# Altium PCB rf_modulator_source.PcbDoc (part 2 of 2) (continued)
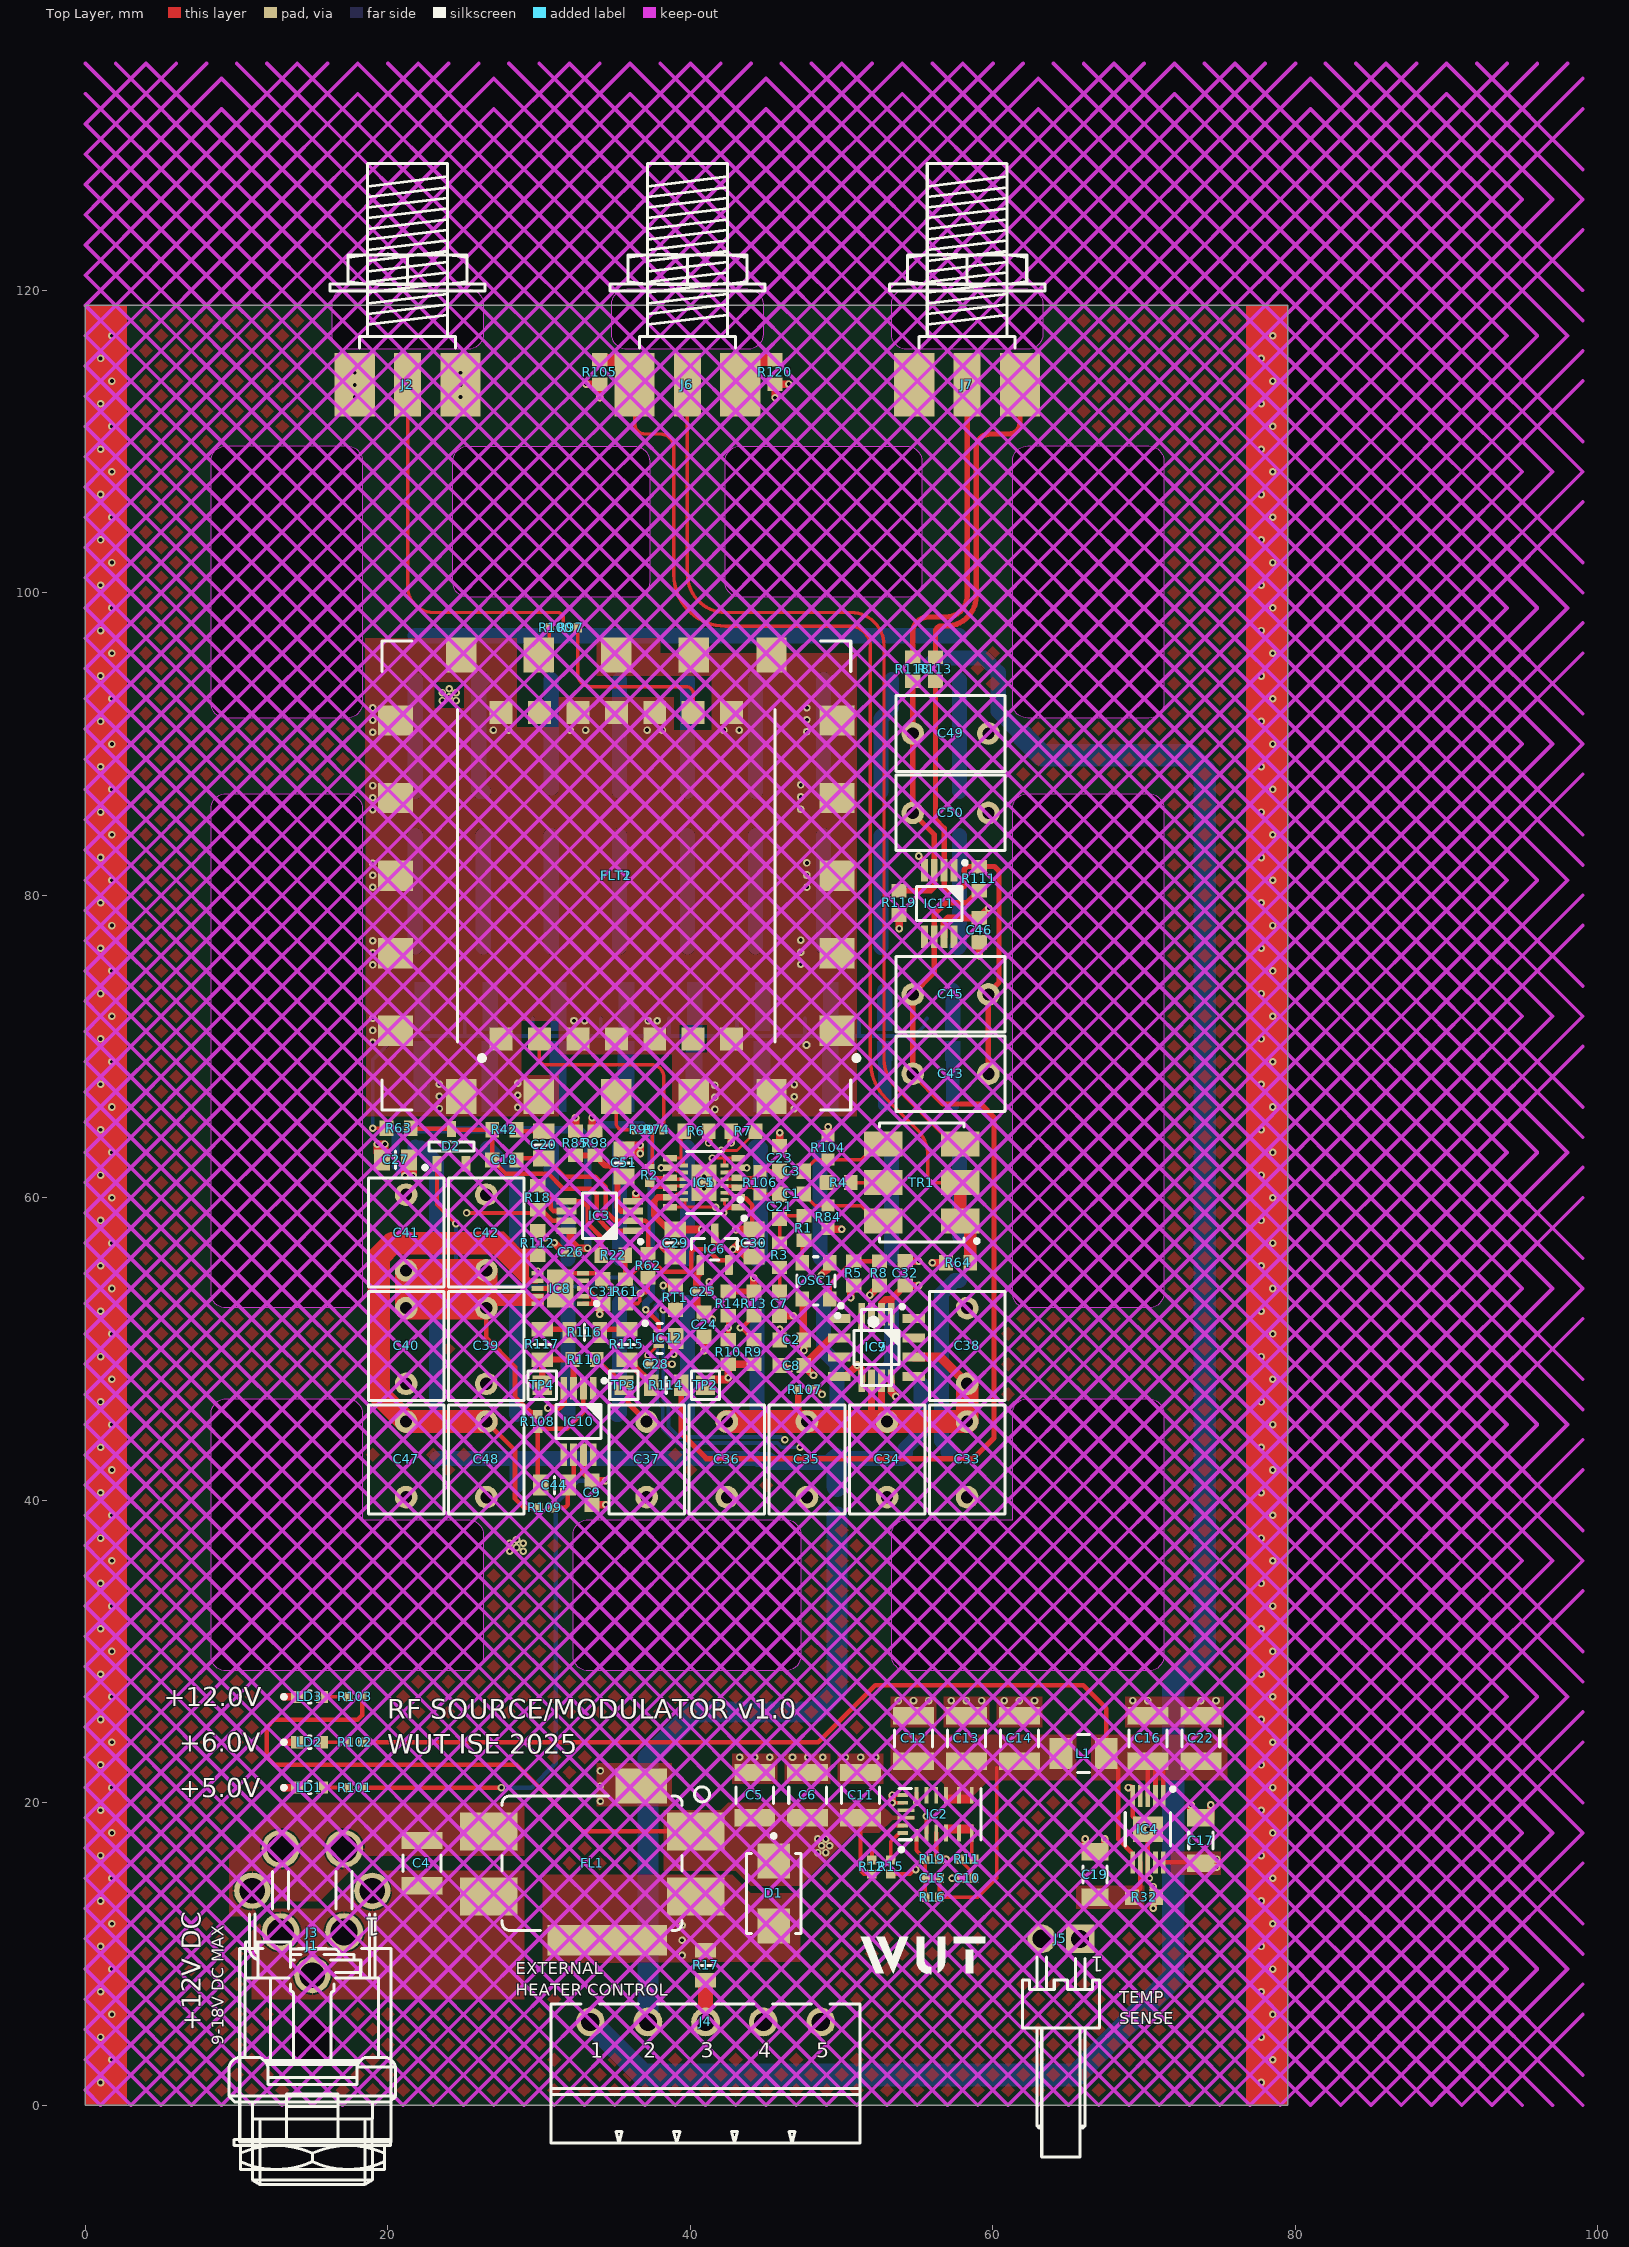
[diagram p0: Top Layer view]
## Nets (pads, with @x,y where several pads share a name; then routed paths per layer and width w, separated by ;. In a path a pad name is that pad's centre, name@x,y a point inside that pad or via, vN(x,y) a via of type N, cw(c..) or ccw(c..) an arc to the next point about the centre after c; other vN are vias at no path point) (continued)
NetR38_1: R38.1 R48.2 | length 7.4
  Bottom Layer w1: R38.1@35.3,55.98 R48.2@35.3,63.365
NetR39_1: R39.1 R49.2 | length 7.9
  Bottom Layer w1: R49.2@30.8,63.365 30.8,59.9 31.9,58.8 R39.1@31.9,55.965
NetR40_1: R40.1 R50.2 | length 8.1
  Bottom Layer w1: R50.2@26.6,63.3 28.5,61.4 R40.1@28.5,55.965
NetR41_1: R41.1 R51.2 | length 8.2
  Bottom Layer w1: R51.2@21.8,63.365 21.875,63.29 22.2,63.29 23.2,62.29 R41.1@23.2,55.965
NetR43_1: R43.1 R52.2 T1.3 | length 3
  Bottom Layer w0.9: R43.1@57.35,66.115 57.35,69.1
NetR44_1: R44.1 R53.2 T2.3 | length 3
  Bottom Layer w0.9: R44.1@52.85,66.115 52.85,69.1
NetR45_1: R45.1 R54.2 T3.3
NetR46_1: R46.1 R55.2 T4.3
NetR47_1: R47.1 R56.2 T5.3
NetR48_1: R48.1 R57.2 T6.3
NetR49_1: R49.1 R58.2 T7.3
NetR50_1: R50.1 R59.2 T8.3
NetR51_1: R51.1 R60.2 T9.3
NetR52_1: R52.1 R65.2 T1.2 | length 2.2
  Bottom Layer w1: R52.1@57.35,71.5 R65.2@57.35,73.685
NetR53_1: R53.1 R66.2 T2.2 | length 2.2
  Bottom Layer w1: R53.1@52.85,71.5 R66.2@52.85,73.685
NetR54_1: R54.1 R67.2 T3.2
NetR55_1: R55.1 R68.2 T4.2
NetR56_1: R56.1 R69.2 T5.2
NetR57_1: R57.1 R70.2 T6.2
NetR58_1: R58.1 R71.2 T7.2
NetR59_1: R59.1 R72.2 T8.2
NetR60_1: R60.1 R73.2 T9.2
NetR65_1: R65.1 R75.2 | length 7.6
  Bottom Layer w1: R65.1@57.6,76.565 57.725,76.565 57.8,76.64 R75.2@57.8,83.965
NetR66_1: R66.1 R76.2 | length 7.4
  Bottom Layer w1: R66.1@52.6,76.565 R76.2@52.6,83.95
NetR67_1: R67.1 R77.2 | length 7.4
  Bottom Layer w1: R67.1@48.8,76.58 R77.2@48.8,83.965
NetR68_1: R68.1 R78.2 | length 7.4
  Bottom Layer w1: R68.1@44.3,76.58 R78.2@44.3,83.965
NetR69_1: R69.1 R79.2 | length 7.4
  Bottom Layer w1: R69.1@39.8,76.58 R79.2@39.8,83.965
NetR70_1: R70.1 R80.2 | length 7.4
  Bottom Layer w1: R70.1@35.3,76.58 R80.2@35.3,83.965
NetR71_1: R71.1 R81.2 | length 7.4
  Bottom Layer w1: R71.1@30.8,76.58 R81.2@30.8,83.965
NetR72_1: R72.1 R82.2 | length 7.4
  Bottom Layer w1: R72.1@26.3,76.58 R82.2@26.3,83.965
NetR73_1: R73.1 R83.2 | length 7.4
  Bottom Layer w1: R73.1@21.8,76.58 R83.2@21.8,83.965
NetR75_1: R75.1 R86.2 | length 7.4
  Bottom Layer w1: R75.1@57.8,86.865 R86.2@57.8,94.265
NetR76_1: R76.1 R87.2 | length 7.7
  Bottom Layer w1: R76.1@52.6,86.85 52.6,91.7 53.3,92.4 R87.2@53.3,94.265
NetR77_1: R77.1 R88.2 | length 7.4
  Bottom Layer w1: R77.1@48.8,86.865 R88.2@48.8,94.265
NetR78_1: R78.1 R89.2 | length 7.4
  Bottom Layer w1: R78.1@44.3,86.865 R89.2@44.3,94.265
NetR79_1: R79.1 R90.2 | length 7.4
  Bottom Layer w1: R79.1@39.8,86.865 R90.2@39.8,94.265
NetR80_1: R80.1 R91.2 | length 7.4
  Bottom Layer w1: R80.1@35.3,86.865 R91.2@35.3,94.265
NetR81_1: R81.1 R92.2 | length 7.2
  Bottom Layer w1: R81.1@30.8,87.1 R92.2@30.8,94.265
NetR82_1: R82.1 R93.2 | length 7.9
  Bottom Layer w1: R82.1@26.3,86.865 26.075,86.865 26,86.94 26,94.19 26.075,94.265 R93.2@26.3,94.265
NetR83_1: R83.1 R94.2 | length 7.4
  Bottom Layer w1: R83.1@21.8,86.865 R94.2@21.8,94.265
NetR86_1: R86.1 R87.1 R88.1 R89.1 R90.1 R91.1 R92.1 R93.1 R94.1 R95.2 R96.2 | length 36
  Bottom Layer w1: R94.1@21.8,97.165 R93.1@26.3,97.165 R92.1@30.8,97.165 R91.1@35.3,97.165 R90.1@39.8,97.165 R89.1@44.3,97.165 R88.1@48.8,97.165 R87.1@53.3,97.165 R86.1@57.8,97.165
NetR114_2: R114.2 R115.1 | length 2.6
  Top Layer w0.5: R115.1@35.8,49.3 36.025,49.3 36.25,49.075 36.25,48.85 36.563,48.537 36.563,48.534 37.047,48.05 37.175,48.05 37.4,47.825 R114.2@37.4,47.6
NetR115_2: R115.2 R116.1 | length 1.9
  Top Layer w0.35: R116.1@34,51.1 34.2,51.3 R115.2@35.8,51.3
NetR116_2: R116.2 R117.1 | length 1.9
  Top Layer w0.35: R117.1@30.2,51.3 31.8,51.3 R116.2@32,51.1
P3V3REF: IC12.1 R98.2 | length 18.8
  Top Layer w0.3: v1(37.05,52.6) 37.9,51.75 IC12.1@37.9,51.2
  Top Layer w0.5: R98.2@33.5,64.4 v1(33.5,65.3)
  Bottom Layer w0.5: v1(33.5,65.3) 33.985,64.815 36.785,64.815 37.4,64.2 37.4,53.4 37.05,53.05 v1(37.05,52.6)
P3V3RF: C2.2 C29.2 C30.2 C39.2 C40.2 C41.2 C42.2 IC1.2 IC1.11 IC5.2 IC5.11 IC8.9 IC8.10 OSC1.4 R5.2 R9.2 R10.2 R108.1 TP2.1 | length 170.5
  Top Layer w0.2: IC5.11@38.65,60.025 38.885,60.025 39.093,60.233 39.194,60.233 39.261,60.3 39.525,60.3 IC1.11@39.55,60.325 ; IC1.2@42.25,60.325 42.275,60.3 42.539,60.3 42.606,60.233 42.707,60.233 42.915,60.025 IC5.2@43.15,60.025
  Top Layer w0.3: C39.2@26.5,52.7 26.5,50.74 28.4,48.84 28.4,46.85 29.44,45.81 29.76,45.81 R108.1@29.9,45.67 ; IC5.2@43.15,60.025 43.215,59.96 43.648,59.96 44.1,59.508 C30.2@44.1,57.8
  Top Layer w0.42: C29.2@38.625,57.8 37.6,58.825 37.6,59.779 37.846,60.025 IC5.11@38.65,60.025
  Top Layer w0.5: C29.2@39,57.9 v1(40.75,57.9) ; TP2.1@41,47.6 41.385,47.985 42.385,47.985 v1(42.5,48.1) R10.2@42.5,49 R9.2@44.2,49 ; v1(43,57.9) C30.2@44.2,57.9 ; OSC1.4@47.4,53.3 47.45,53.25 47.45,50.65 C2.2@47.5,50.6 ; v1(47.5,49.9) C2.2@47.5,50.6 ; C2.2@47.5,50.8 C2.2@47.5,50.6 ; v1(50.6,53.4) R5.2@50.6,54.3
  Top Layer w1.5: 21.2,53.95 26.5,53.95 ; 21.2,53.95 C41.2@21.2,55.2 C42.2@26.5,55.2 26.5,53.95 ; 21.2,53.95 C40.2@21.2,52.7 C39.2@26.5,52.7 26.5,53.95
  Inner Layer 2 w1.25: 26.425,53.95 26.5,53.95 26.5,53.9 27.75,52.65 ; C39.2@26.5,52.7 31.4,47.8 ; 27.75,56.45 27.75,53.7 ; 28.9,57.6 28.35,57.05 28.35,53.65 ; v1(40.75,57.9) v1@42.8,57.9 ; 27.75,52.65 27.75,53.7 ; 27.75,52.65 28.35,52.05 ; 27.75,53.7 28.3,53.7 28.35,53.65 ; 28.35,52.05 28.35,53.65 ; 28.35,52.05 32.6,47.8 ; 28.35,53.65 34.2,47.8 ; 31.4,47.8 32.6,47.8 ; 31.4,47.8 32.1,47.1 41.5,47.1 ; 32.6,47.8 34.2,47.8 ; 34.2,47.8 42.2,47.8 v1(42.5,48.1) ; 41.5,47.1 43.4,47.1 44.4,48.1 ; 41.5,47.1 v1(42.5,48.1) ; v1(42.5,48.1) 44.4,48.1 ; 44.4,48.1 46.2,49.9 ; 46.2,49.9 49.7,53.4 v1(50.6,53.4) 50.6,53 ; 46.2,49.9 v1(47.5,49.9) ; v1(47.5,49.9) 50.6,53 ; v1(47.5,49.9) 48.125,49.9 50.6,52.375 50.6,53
  Inner Layer 2 w1.5: 26.5,53.9 C39.2@26.5,52.7 C40.2@21.2,52.7 21.2,53.95 ; v1(40.75,57.9) 39.75,58.9 30.2,58.9 28.35,57.05 27.75,56.45 C42.2@26.5,55.2 ; 21.2,53.95 26.5,53.95 C42.2@26.5,55.2 ; 21.2,53.95 C41.2@21.2,55.2 C42.2@26.5,55.2
P5V0: C8.2 C9.2 C17.2 C24.2 C25.2 C28.2 C31.2 C32.2 C46.2 IC4.9 IC4.10 IC6.1 IC7.2 IC8.1 IC8.2 IC8.3 IC8.6 IC9.1 IC9.2 IC10.7 IC11.7 IC12.3 R101.1 | length 246.5
  Top Layer w0.2: v1(37.2,49.6) 37.65,50.05 37.65,50.175 37.675,50.2 IC12.3@37.9,50.2
  Top Layer w0.3: R101.1@18.295,21 v1(27.5,21) ; IC8.1@32.9,53 34,53 C31.2@34.175,53 ; IC8.2@32.9,53.5 33.3,53.5 ; IC8.3@32.9,54 33.2,54 33.376,53.824 33.376,53.799 ; 33.581,53.131 33.581,53.5 ; IC4.9@70.75,16.05 IC4.10@71.25,16.05 73.7,16.05 C17.2@73.75,16 ; 33.3,53.5 33.581,53.5 ; 33.3,53.5 33.376,53.576 33.376,53.799 ; 33.376,53.799 33.581,53.594 ; 33.581,53.5 33.675,53.5 ; 33.581,53.5 33.581,53.594 ; 33.581,53.594 33.675,53.5 ; 33.675,53.5 34,53.175 C31.2@34.175,53 ; C31.2@34.175,53 C31.2@34.2,53 C31.2@34.175,53
  Top Layer w0.45: IC10.7@32.925,43 32.925,41.85 33.475,41.3 C9.2@33.5,41.3 ; IC9.2@52.625,52.3 52.625,53.011 52.889,53.275 53.275,53.275 ; IC9.1@53.275,52.3 53.275,53.275 ; v1(55.1,54.2) C32.2@54.2,54.2 54.175,54.2 53.925,53.95 53.925,53.925 53.275,53.275 ; IC11.7@56.775,77.25 56.775,78.236 57.039,78.5 C46.2@59.1,78.5
  Top Layer w0.5: C9.2@33.5,41.3 v1(34.4,41.3) ; v1(34,52.3) 34,53 34,53.175 C31.2@34,53.2 ; v1(37.2,49.6) 37.2,49.05 C28.2@37.25,49 ; IC6.1@40.65,55.55 40.65,55.15 40.57,55.07 40.57,55.02 40.41,54.86 40.41,53.86 C25.2@40.35,53.8 40.41,53.74 40.41,52.865 40.875,52.4 C24.2@40.9,52.4 ; C24.2@40.8,52.6 40.95,52.45 v1(41.436,51.964) ; v1(48.136,48.264) C8.2@47.5,48.9 47.5,48.925 49.26,50.685 49.785,50.685 IC7.2@49.835,50.735 ; C46.2@59.1,78.5 v1(59.736,79.136) ; C17.2@73.75,16 74.024,15.726 v1(74.8,15.726) 74.8,16 ; 74.8,16 73.75,16 74.025,16.275 v1(74.8,16.275) 74.8,16
  Inner Layer 2 w1.25: v1(29.9,55.15) 32.75,52.3 ; v1(34.4,41.3) 36.075,42.975 42.848,42.975 v1(48.136,48.264) 49.636,48.264 50.2,47.7 51.55,47.7 53.35,49.5 ; 54.691,53.791 54.225,53.325 ; 56.559,50.959 56.4,50.8 ; v1(59.736,79.136) 57.225,76.625 57.225,55.508 55.917,54.2 ; 74.5,17 74.8,16.7 ; v1@74.774,15.726 v1(74.8,15.726) v1(74.8,16.275) ; 32.75,52.3 35.45,49.6 v1(37.2,49.6) ; 32.75,52.3 v1(34,52.3) 34.5,52.3 35.836,50.964 ; 35.836,50.964 38.564,50.964 ; 35.836,50.964 v1(37.2,49.6) ; v1(37.2,49.6) 38.564,50.964 ; 38.564,50.964 39.564,51.964 v1(41.436,51.964) 41.436,50.964 ; 38.564,50.964 41.436,50.964 ; 41.436,50.964 42.6,49.8 44,49.8 44.898,50.698 44.898,52.598 48.2,55.9 51.65,55.9 53.35,54.2 ; 53.35,49.5 53.35,51.633 ; 53.35,49.5 54.4,49.5 ; 53.35,51.633 53.35,54.2 ; 53.35,51.633 54.225,52.508 ; 53.35,54.2 54.225,53.325 ; 53.35,54.2 v1(55.1,54.2) ; 54.225,52.508 55.1,53.383 ; 54.225,52.508 54.225,53.325 ; 54.225,52.508 54.225,49.675 54.4,49.5 ; 54.4,49.5 55.1,49.5 ; 55.1,49.5 56.4,50.8 ; 55.1,49.5 55.1,50.8 55.1,53.383 ; 55.1,53.383 55.917,54.2 ; 55.1,53.383 v1(55.1,54.2) ; v1(55.1,54.2) 55.917,54.2 ; 55.917,54.2 55.917,51.283 56.4,50.8
  Inner Layer 2 w1.5: 55.1,50.8 56.4,50.8 70.2,50.8 73,48 73,28.5 71.5,27 71.5,19 73.5,17 ; 74.5,17 73.5,17 ; v1@74.774,15.726 73.5,17 ; v1(74.8,16.275) 74.8,16.7
  Bottom Layer w0.3: v1(27.5,21) 29.5,21 31.1,22.6 31.1,39.8 32.6,41.3 v1(34.4,41.3)
P6V0: C16.2 C22.2 IC4.1 IC4.2 IC4.3 IC4.6 L1.2 R102.1 | length 70.2
  Top Layer w0.25: C16.2@70.25,22.75 C16.2@70.3,22.75 ; C16.2@70.75,22.3 C16.2@70.3,22.75 ; C16.2@71.25,22.3 70.8,22.75 C16.2@70.3,22.75
  Top Layer w0.3: R102.1@18.295,24 48.45,24 52.225,27.775 65.975,27.775 67.5,26.25 L1.2@67.5,23.25 67.5,22.975 68.1,22.375 68.124,22.375 68.3,22.199 68.3,17.575 69.25,16.625 IC4.6@69.25,16.05 ; IC4.3@70.25,20.45 C16.2@70.25,22.75 ; IC4.2@70.75,20.45 C16.2@70.75,22.3 ; IC4.1@71.25,20.45 C16.2@71.25,22.3
P6V0_PG: IC2.18 R15.2 | length 2.2
  Top Layer w0.25: R15.2@53.25,16.22 53.25,17.425 53.825,18 IC2.18@54.05,18
P12V0: C5.2 C6.2 C11.2 C26.2 C27.2 D1.1 FL1.2 IC2.16 IC3.8 R12.2 R20.2 R103.2 | length 151.5
  Top Layer w0.25: C11.2@51.25,19 51.25,15.5 51.461,15.289 51.991,15.289 R12.2@52,15.28
  Top Layer w0.3: R103.2@18.295,27 18.295,25.795 18,25.5 12.5,25.5 12,25 12,23 12.5,22.5 28.5,22.5 32.9,18.1 FL1.2@40.35,18.1
  Top Layer w0.5: C27.2@21.4,62.5 21.126,62.226 v1(21.126,61.45) 21.4,61.45 ; 32.066,57.6 32.069,57.597 32.069,57.156 32.49,56.735 ; v1(33.2,56.675) C26.2@32.825,56.675 ; 21.4,61.45 C27.2@21.4,62.5 21.675,62.225 v1(21.675,61.45) 21.4,61.45 ; 32.49,56.735 32.55,56.675 C26.2@32.825,56.675 ; 32.49,56.735 32.49,56.46 C26.2@32.55,56.4 C26.2@32.825,56.675
  Inner Layer 2 w0.5: 18.775,61.45 18.775,61.725 21.675,61.725 v1(21.675,61.45) v1(21.126,61.45) 19.036,61.45 19.311,61.725
  Inner Layer 2 w1: 19.036,44.264 20.5,42.8 27.65,42.8 28.5,41.95 v1(28.5,36.875)
  Inner Layer 2 w1.025: 19.036,44.264 19.036,61.45
  Inner Layer 2 w2: v1(28.5,36.875) 28.5,22.975 34.325,17.15 v1(48.675,17.15)
  Bottom Layer w0.5: v1(33.2,56.675) 33.2,64 32.7,64.5 20.793,64.5 20.5,64.207 20.5,62.076 20.876,61.7 ; 20.876,61.7 21.425,61.7 v1(21.675,61.45) v1(21.126,61.45) 20.876,61.7
  other v1: 48.425,16.7 48.95,16.7 49.2,17.15 48.425,17.6 48.95,17.6 28.05,36.625 28.95,36.625 28.05,37.15 28.95,37.15 28.5,37.4
RF_FLT_IN: R2.2 R74.1 R99.1 | length 2.7
  Top Layer w0.223: R2.2@37.3,61.945 37.475,62.12 37.475,64.325 R99.1@37.3,64.5
RF_FLT_OUT: J2.1 R97.2 R100.2 | length 25.4
  Top Layer w0.223: J2.1@21.3,113.75 21.3,100.4 ccw(c23,100.4) 23,98.7 31.2,98.7 cw(c31.2,98.3) 31.6,98.3 R100.2@31.6,97.7
RF_IN: J6.1 TR1.3 | length 63.4
  Top Layer w0.223: J6.1@39.8,113.75 39.8,101.24 ccw(c42.34,101.24) 42.34,98.7 50.618,98.7 cw(c50.618,96.518) 52.8,96.518 52.8,69.152 ccw(c55.34,69.152) 53.544,67.356 57.021,63.879 ccw(c57.84,64.699) TR1.3@57.84,63.54
RF_IN_G: J6.2 R64.2 R105.2 R120.2 TR1.1 TR1.2 | length 82.2
  Top Layer w0.223: J6.2@36.307,113.75 36.307,111.193 ccw(c37,111.193) 37,110.5 38,110.5 cw(c38,109.6) 38.9,109.6 38.9,101.2 ccw(c42.3,101.2) 42.3,97.8 50.515,97.8 cw(c50.515,96.411) 51.904,96.411 51.9,96.406 51.9,96.3 51.9,89.1 51.9,69.05 ; 51.9,69.049 ccw(c55.397,69.049) 52.924,66.576 52.925,66.575 54.905,64.595 54.956,64.544 cw(c53.16,62.748) 55.7,62.748 55.7,61.5 ccw(c56.2,61.5) 56.2,61 TR1.2@57.838,61 ; TR1.2@57.089,61.311 ccw(c57.84,62.062) TR1.2@57.838,61 ; TR1.2@57.838,61 ccw(c57.84,62.062) TR1.2@57.84,61 TR1.2@57.838,61
  Top Layer w0.8: R105.2@34,115.4 35.375,115.4 36.307,114.468 J6.2@36.307,113.75 ; J6.2@43.292,113.75 43.292,114.468 44.225,115.4 R120.2@45.6,115.4 ; TR1.2@57.84,61 TR1.1@57.84,58.46 58.075,58.46 58.5,58.035 R64.2@58.5,55.7
RF_MOD_IN+: C1.2 C21.2 IC1.3 IC5.3 R106.2 | length 3.9
  Top Layer w0.223: IC1.3@42.25,60.775 42.263,60.762 43.063,60.762 IC5.3@43.15,60.675 44.111,60.675 44.562,60.225 R106.2@44.6,60.225 45.875,60.225 C1.2@45.9,60.25
RF_MOD_IN−: C3.2 C23.2 IC1.4 IC5.4 R106.1 | length 3.9
  Top Layer w0.223: IC1.4@42.25,61.225 42.263,61.238 43.063,61.238 IC5.4@43.15,61.325 44.112,61.325 44.562,61.775 R106.1@44.6,61.775 45.875,61.775 C3.2@45.9,61.75
SD1: IC1.12 IC5.12 R7.2 | length 11.5
  Top Layer w0.2: IC5.12@38.65,59.375 39.65,59.375 ; IC1.12@39.55,59.875 39.625,59.875 39.65,59.85 39.65,59.375 ; v1(41.675,59.375) 39.65,59.375 ; v1(42.05,63.125) 43.075,63.125 44.3,64.35 R7.2@44.3,64.4
  Inner Layer 2 w0.2: v1(41.675,59.375) 41.675,61.625 40.925,62.375 40.925,62.875 41.175,63.125 v1(42.05,63.125)
SD2: IC1.7 IC5.7 R6.2 | length 3.2
  Top Layer w0.2: IC5.7@38.65,62.625 39.375,62.625 ; IC1.7@39.55,62.125 39.55,62.45 39.375,62.625 ; R6.2@39.6,64.4 39.375,64.175 39.375,62.625
TEMP_SENHT_OUT: IC6.2 R22.1 R61.1 | length 10.8
  Top Layer w0.3: R22.1@35.7,56.2 R61.1@35.7,54.6 35.75,54.6 36.65,55.5 37.8,55.5 38.2,55.1 39.874,55.1 40.05,55.276 40.05,56.424 40.226,56.6 41.1,56.6 41.829,55.871 42.45,55.871 42.55,55.771 IC6.2@42.55,55.55
TEMP_SENHT_OUT_BUFF: IC3.7 J5.1 R18.2 | length 118.4
  Top Layer w0.25: v1(25.2,59) 29.7,59 R18.2@29.9,59.2
  Top Layer w0.3: R18.2@29.9,59.4 29.95,59.4 30.875,58.475 IC3.7@31.8,58.475
  Inner Layer 2 w0.25: v1(25.2,59) 21.1,59 20,57.9 20,51.8 20.6,51.2 24.75,51.2 30.5,45.45 30.5,28.7 38.7,20.5 49.5,20.5 51,19 51,15.5 43,7.5 43,3.845 44.145,2.7 57.472,2.7 J5.1@65.77,10.998
Vset_3V3: C33.2 C34.2 C35.2 C36.2 C37.2 C38.2 IC7.6 IC9.6 IC9.7 R107.1 R110.1 TP3.1 | length 41.5
  Top Layer w0.35: R110.1@33.8,49.3 33.8,49.25 34.55,48.5 34.7,48.5 TP3.1@35.661,47.539 ; TP3.1@35.6,47.6 35.875,47.325 35.875,46.431 C37.2@37.106,45.2
  Top Layer w0.4: 47.13,45.73 R107.1@47.13,47.3
  Top Layer w0.45: 51.925,45.2 51.975,45.25 IC9.6@51.975,47.9 ; IC9.7@52.625,47.9 52.625,45.865 53.006,45.484 C34.2@53.006,45.2
  Top Layer w0.6: 46.6,45.2 47.13,45.73 ; IC7.6@54.765,49.465 56.535,49.465 C38.2@58.3,47.7
  Top Layer w1.5: C36.2@42.406,45.2 46.6,45.2 51.925,45.2 C34.2@53.006,45.2 C33.2@58.3,45.2 C38.2@58.3,47.7
  Inner Layer 2 w1.5: C37.2@37.106,45.2 C36.2@42.406,45.2
Vtune_N: J7.2 R113.1 | length 21.9
  Top Layer w0.35: R113.1@56.2,95.75 56.2,97.4 cw(c56.6,97.4) 56.6,97.8 56.9,97.8 ccw(c56.9,99.8) 58.9,99.8 58.9,109.6 cw(c59.8,109.6) 59.8,110.5 61.1,110.5 ccw(c61.1,111.193) 61.793,111.193 J7.2@61.793,113.75
Vtune_P: J7.1 R118.1 | length 20.6
  Top Layer w0.35: R118.1@54.7,95.75 54.7,97.4 cw(c55.7,97.4) 55.7,98.4 56.9,98.4 ccw(c56.9,99.8) 58.3,99.8 J7.1@58.3,113.75
pads on no net: D2.2 IC2.10 IC2.15 IC10.1 IC10.5 IC10.8 IC11.1 IC11.5 IC11.8 J1.5

## Polygon pours and split planes (outlines as drawn)
no net on Bottom Layer "balancing" (solid, pour order 41): 2.95,0 76.825,0 76.825,119 2.95,119
P12V0 on Bottom Layer "P12V0_L04_P092" (solid, pour order 92): 29.2,36.375 27.8,36.375 27.8,39.375 29.2,39.375
GND on Bottom Layer "GND_L04_P089" (solid, pour order 89): 24.75,92.625 23.35,92.625 23.35,95.625 24.75,95.625
no net on Top Layer "balancing" (solid, pour order 93): 3,0 76.525,0 76.525,119 3,119
GND on Top Layer "GND_L01_P042" (solid, pour order 42): 18.573,65.4 51.1,65.4 51.1,96 38,96 38,97.3 18.473,97.3
P6V0 on Top Layer "P6V0_L01_P071" (solid, pour order 71): 66.5,24.5 66.5,21.5 75.5,21.5 75.5,24.5
GND on Top Layer "GND_L01_P091" (solid, pour order 91): 42.75,15.25 44,14 47.25,14 47.25,9.499 30.25,9.4 30.25,15.25
GND on Top Layer "GND_L01_P090" (solid, pour order 90): 33.8,19.75 33.8,22.6 38.75,22.6 38.75,19.75
GND on Top Layer "GND_L01_P072" (solid, pour order 72): 72.25,27 75.25,27 75.25,25 72.25,25
NetC4_1 on Top Layer "NETC4_1_L01_P044" (solid, pour order 44): 11,11.5 12.5,13 16,13 18.5,15.5 29,15.5 29,7 11,7
NetC4_2 on Top Layer "NETC4_2_L01_P045" (solid, pour order 45): 29,16.5 18.5,16.5 15.5,13.5 12,13.5 11,12.5 9.5,12.5 9.5,16.5 13,20 29,20
P12V0 on Top Layer "P12V0_L01_P046" (solid, pour order 46): 38.25,19.5 42,19.5 42.5,20 52.5,20 53.375,19.125 54.8,19.125 54.8,18.875 53.375,18.875 52.5,18 50.75,18 47.25,14.5 44,14.5 43,15.5 38.25,15.5
NetC12_2 on Top Layer "NETC12_2_L01_P048" (solid, pour order 48): 53.25,24.5 65.5,24.5 65.5,21.5 59.725,21.5 58.725,20.5 56.775,20.5 56.775,21.225 56.5,21.5 53.25,21.5
P5V0 on Top Layer "P5V0_L01_P050" (solid, pour order 50): 71.75,16.75 75.075,16.75 75.075,15.25 71.75,15.25
NetC19_2 on Top Layer "NETC19_2_L01_P051" (solid, pour order 51): 70,14.5 70,13 65.5,13 65.5,14.5
GND on Top Layer "GND_L01_P052" (solid, pour order 52): 42.75,23.25 45.75,23.25 45.75,21.25 42.75,21.25
GND on Top Layer "GND_L01_P053" (solid, pour order 53): 46.25,23.25 49.25,23.25 49.25,21.25 46.25,21.25
GND on Top Layer "GND_L01_P054" (solid, pour order 54): 49.75,23.25 52.75,23.25 52.75,21.25 49.75,21.25
GND on Top Layer "GND_L01_P055" (solid, pour order 55): 53.25,27 56.25,27 56.25,25 53.25,25
GND on Top Layer "GND_L01_P056" (solid, pour order 56): 56.75,27 59.75,27 59.75,25 56.75,25
GND on Top Layer "GND_L01_P057" (solid, pour order 57): 60.25,27 63.25,27 63.25,25 60.25,25
GND on Top Layer "GND_L01_P058" (solid, pour order 58): 68.75,27 75.25,27 75.25,25 68.75,25
GND on GND "GND_L02_P027" (solid, pour order 27): 0,119 79.5,119 79.5,0 0,0
no net on Inner Layer 2 "balancing" (solid, pour order 43): 2.8,0 76.7,0 76.7,120 2.8,120

## Keep-outs
Keep-Out Layer:
  drawing of 3992 lines, arcs and shapes, not listed

## Other copper
Top Layer:
  rectangle net GND: 0,0 2.75,119
  rectangle net GND: 76.75,0 79.5,119
  pour cut-out: 51,97 51,65 58,65 58,97
  pour cut-out: 15,120 15,97 65,97 65,120
  pour cut-out: 30.78,69.745 30.78,71.265 29.26,71.265 29.26,69.745
  pour cut-out: 25,92.4 25,94.1 23.1,94.1 23.1,92.4
  pour cut-out: 33.8,93.1 41.4,93.1 41.4,94.525 33.8,94.525
  pour cut-out: 33.8,93.1 33.8,98.3 31.15,98.3 31.15,93.1
  pour cut-out: 31.3,91.1 31.3,98.28 28.5,98.28 28.5,91.1
  pour cut-out: 41.4,90.9 41.4,94.5 38.9,94.5 38.9,90.9
  pour cut-out: 38.8,65.4 38.8,69.5 31.3,69.5 31.3,65.4
  pour cut-out: 28.8,71.7 28.8,68.1 31.3,68.1 31.3,71.7
  region net NetC47_2: 29.9,54.65 29.45,54.65 29.325,54.775 29.325,56.075 27.65,57.75 25.875,57.75 25.875,56.25 27,56.25 28.9,54.35 29.9,54.35
  region net P3V3RF: 30.3,53.65 30.3,52.85 26.5,52.85 26.5,53.65
GND:
  pour cut-out: 54.03,59.285 51.49,59.285 51.49,57.635 54.03,57.635
  pour cut-out: 54.03,64.365 51.49,64.365 51.49,62.715 54.03,62.715
  pour cut-out: 59.11,64.365 56.57,64.365 56.57,62.715 59.11,62.715
  pour cut-out: 59.108,61.825 56.568,61.825 56.568,60.175 59.108,60.175
  pour cut-out: 59.11,59.285 56.57,59.285 56.57,57.635 59.11,57.635
  pour cut-out: 49.532,59.869 48.668,59.869 48.668,59.081 49.532,59.081
  pour cut-out: 49.532,62.919 48.668,62.919 48.668,62.131 49.532,62.131
  pour cut-out: 47.975,62.25 47.025,62.25 47.025,61.25 47.975,61.25
  pour cut-out: 47.975,60.75 47.025,60.75 47.025,59.75 47.975,59.75
  pour cut-out: 45.032,60.619 44.168,60.619 44.168,59.831 45.032,59.831
  pour cut-out: 45.032,62.169 44.168,62.169 44.168,61.381 45.032,61.381
  pour cut-out: 46.4,62.275 45.4,62.275 45.4,61.25 46.4,61.25
  pour cut-out: 46.4,60.75 45.4,60.75 45.4,59.725 46.4,59.725
  pour cut-out: 41.975,60.89 43.6,60.89 43.6,60.46 41.975,60.46
  pour cut-out: 41.975,61.54 43.6,61.54 43.6,61.11 41.975,61.11
  pour cut-out: 39.825,61.54 38.2,61.54 38.2,61.11 39.825,61.11
  pour cut-out: 39.825,60.89 38.2,60.89 38.2,60.46 39.825,60.46
  pour cut-out: 40.94,91.355 40.94,92.875 39.42,92.875 39.42,91.355
  pour cut-out: 30.78,69.765 30.78,71.285 29.26,71.285 29.26,69.765
  pour cut-out: 36.105,65.55 36.105,67.86 34.095,67.86 34.095,65.55
  pour cut-out: 29.97,96.515 29.97,95.895 30.55,95.895 30.55,96.515
  pour cut-out: 30.975,94.74 30.975,97.05 28.965,97.05 28.965,94.74
  pour cut-out: 36.99,60.72 37.61,60.72 37.61,61.3 36.99,61.3
  pour cut-out: 37.61,62.235 36.99,62.235 36.99,61.655 37.61,61.655
  pour cut-out: 38.53,64.19 38.53,64.81 37.95,64.81 37.95,64.19
  pour cut-out: 37.59,64.19 37.59,64.81 37.01,64.81 37.01,64.19
  pour cut-out: 36.65,64.19 36.65,64.81 36.07,64.81 36.07,64.19
  pour cut-out: 32.83,97.39 32.83,98.01 32.25,98.01 32.25,97.39
  pour cut-out: 31.89,97.39 31.89,98.01 31.31,98.01 31.31,97.39
  pour cut-out: 30.95,97.39 30.95,98.01 30.37,98.01 30.37,97.39
Bottom Layer:
  rectangle net GND: 76.75,0 79.5,119
  rectangle net GND: 0,0 2.75,119
  pour cut-out: 19,42 61,42 61,99 19,99
  region net NetR51_1: 22.775,70.35 21.7,70.35 21.7,65.69 22.775,65.69
  region net NetR50_1: 27.275,70.35 26.2,70.35 26.2,65.69 27.275,65.69
  region net NetR49_1: 31.775,70.35 30.7,70.35 30.7,65.69 31.775,65.69
  region net NetR48_1: 36.275,70.35 35.2,70.35 35.2,65.69 36.275,65.69
  region net NetR47_1: 40.775,70.35 39.7,70.35 39.7,65.69 40.775,65.69
  region net NetR46_1: 45.275,70.35 44.2,70.35 44.2,65.69 45.275,65.69
  region net NetR60_1: 22.775,74.24 21.775,74.24 21.775,71.05 22.775,71.05
  region net NetR59_1: 27.275,74.24 26.275,74.24 26.275,71.05 27.275,71.05
  region net NetR58_1: 31.775,74.24 30.775,74.24 30.775,71.05 31.775,71.05
  region net NetR57_1: 36.275,74.24 35.275,74.24 35.275,71.05 36.275,71.05
  region net NetR56_1: 40.775,74.24 39.775,74.24 39.775,71.05 40.775,71.05
  region net NetR55_1: 45.275,74.24 44.275,74.24 44.275,71.05 45.275,71.05
  region net NetR45_1: 49.775,70.35 48.7,70.35 48.7,65.69 49.775,65.69
  region net NetR54_1: 49.775,74.24 48.775,74.24 48.775,71.05 49.775,71.05
  region net NetR43_1: 57.85,70.35 56.85,70.35 56.85,69.05 57.85,69.05
  region net NetR44_1: 53.35,70.35 52.35,70.35 52.35,69.05 53.35,69.05
  region net NetR53_1: 53.35,72.35 52.35,72.35 52.35,71.05 53.35,71.05
  region net NetR52_1: 57.85,72.35 56.85,72.35 56.85,71.05 57.85,71.05

## Silkscreen, mask and mechanical layers (free items; w line width, h text height)
Top Overlay:
  drawing of 6 lines, arcs and shapes, not listed
  text "+12.0V" at 5.161,26.375 h1.25
  text "RF SOURCE/MODULATOR v1.0" at 19.95,25.55 h1.3
  text "+6.0V" at 6.202,23.375 h1.25
  text "WUT ISE 2025" at 19.95,23.25 h1.3
  text "+5.0V" at 6.202,20.375 h1.25
  text "EXTERNAL" at 28.45,8.65 h0.8
  text "HEATER CONTROL" at 28.45,7.25 h0.8
  text "TEMP" at 68.35,6.75 h0.8
  text "SENSE" at 68.35,5.35 h0.8
  text "+12V DC" at 7.625,4.878 h1.25 r90
  text "9-18V DC MAX" at 9.15,3.978 h0.8 r90
Top Solder:
  rectangle: 76.75,0 79.5,119
  rectangle: 0,0 2.75,119
Bottom Solder:
  rectangle: 76.75,0 79.5,119
  rectangle: 0,0 2.75,119
Mechanical 11:
  pour cut-out: 43.3,99.7 cw(c43.3,100.7) 42.3,100.7 42.3,108.7 cw(c43.3,108.7) 43.3,109.7 54.3,109.7 cw(c54.3,108.7) 55.3,108.7 55.3,100.7 cw(c54.3,100.7) 54.3,99.7
  lines w2: 9.3,31.715 25.3,31.715 ; 9.3,33.715 25.3,33.715 ; 9.3,35.715 25.3,35.715 ; 9.3,37.715 17.3,37.715 ; 9.3,60.7 9.3,85.7 ; 11.3,35.715 11.3,45.715 ; 11.3,53.7 11.3,85.7 ; 11.3,92.7 11.3,108.7 ; 12.3,85.7 17.3,85.7 17.3,53.7 9.3,53.7 9.3,85.7 ; 13.3,35.715 13.3,45.715 ; 13.3,53.7 13.3,85.7 ; 13.3,92.7 13.3,108.7 ; 15.3,35.715 15.3,45.715 ; 15.3,53.7 15.3,85.7 9.3,85.7 ; 15.3,92.7 15.3,108.7 ; 17.3,96.7 17.3,104.7 ; 25.3,102.485 25.3,108.7 36.3,108.7 36.3,100.7 25.3,100.7 25.3,107.235 ; 25.3,102.7 36.3,102.7 ; 25.3,104.7 36.3,104.7 ; 25.3,106.7 36.2,106.7 ; 33.25,29.715 33.25,36.25 ; 33.25,31.5 33.25,37.715 ; 33.3,29.715 46.3,29.715 46.3,37.715 33.3,37.715 ; 33.3,31.715 46.3,31.715 ; 33.3,33.715 46.3,33.715 ; 33.3,35.715 46.3,35.715 ; 43.3,102.485 43.3,108.7 54.3,108.7 54.3,100.7 43.3,100.7 43.3,107.235 ; 43.3,102.7 54.3,102.7 ; 43.3,104.7 54.3,104.7 ; 43.3,106.7 54.2,106.7 ; 54.3,31.715 64.3,31.715 ; 54.3,33.715 64.3,33.715 ; 54.3,35.715 64.3,35.715 ; 55.3,37.715 62.3,37.715 ; 62.3,29.715 62.3,37.715 ; 62.3,60.715 62.3,85.715 ; 62.3,96.715 62.3,104.715 ; 62.5,73.75 62.5,81.75 ; 64.3,29.715 64.3,45.715 ; 64.3,53.715 64.3,85.715 ; 64.3,92.715 64.3,108.715 ; 65.3,85.715 70.3,85.715 70.3,53.715 62.3,53.715 62.3,85.715 ; 66.3,29.715 66.3,45.715 ; 66.3,53.715 66.3,85.715 ; 66.3,92.715 66.3,108.715 ; 68.3,29.715 68.3,45.715 ; 68.3,53.715 68.3,85.715 ; 68.3,92.715 68.3,108.715 ; 68.55,85.715 62.3,85.715 ; 17.3,37.715 17.3,45.715 9.3,45.715 9.3,29.715 25.3,29.715 25.3,37.715 17.3,37.715 ; 62.3,37.715 62.3,45.715 ; 62.3,37.715 54.3,37.715 54.3,29.715 70.3,29.715 70.3,45.715 62.3,45.715 ; 62.3,37.715 62.3,45.715 ; 9.3,92.7 17.3,92.7 17.3,100.7 17.3,108.7 9.3,108.7 9.3,92.7 ; 62.3,92.715 62.3,100.715 62.3,108.715 70.3,108.715 70.3,92.715 62.3,92.715

## Text inside footprints (layer, text, board x,y; h text height)
J1: Top Overlay "1" at 19.475,12.4 h1.2 r180; Mechanical 14 "1" at 19.475,12.4 h1.2 r180
J3: Mechanical 8 "CENTER PIN" at 11.3,8.675 h0.5 r90; Mechanical 8 "SLEEVE SHUNT" at 19.225,7.575 h0.5 r90; Mechanical 8 "2.5mm" at 11.7,-1.4 h1
J4: Top Overlay "5" at 48.304,3.15 h1; Top Overlay "4" at 44.494,3.15 h1; Top Overlay "3" at 40.684,3.15 h1; Top Overlay "2" at 36.874,3.15 h1; Top Overlay "1" at 33.364,3.15 h1
J5: Top Overlay "1" at 67.342,9.805 h1 r180; Mechanical 14 "1" at 67.342,9.805 h1 r180